# KiCad board pcb.kicad_pcb
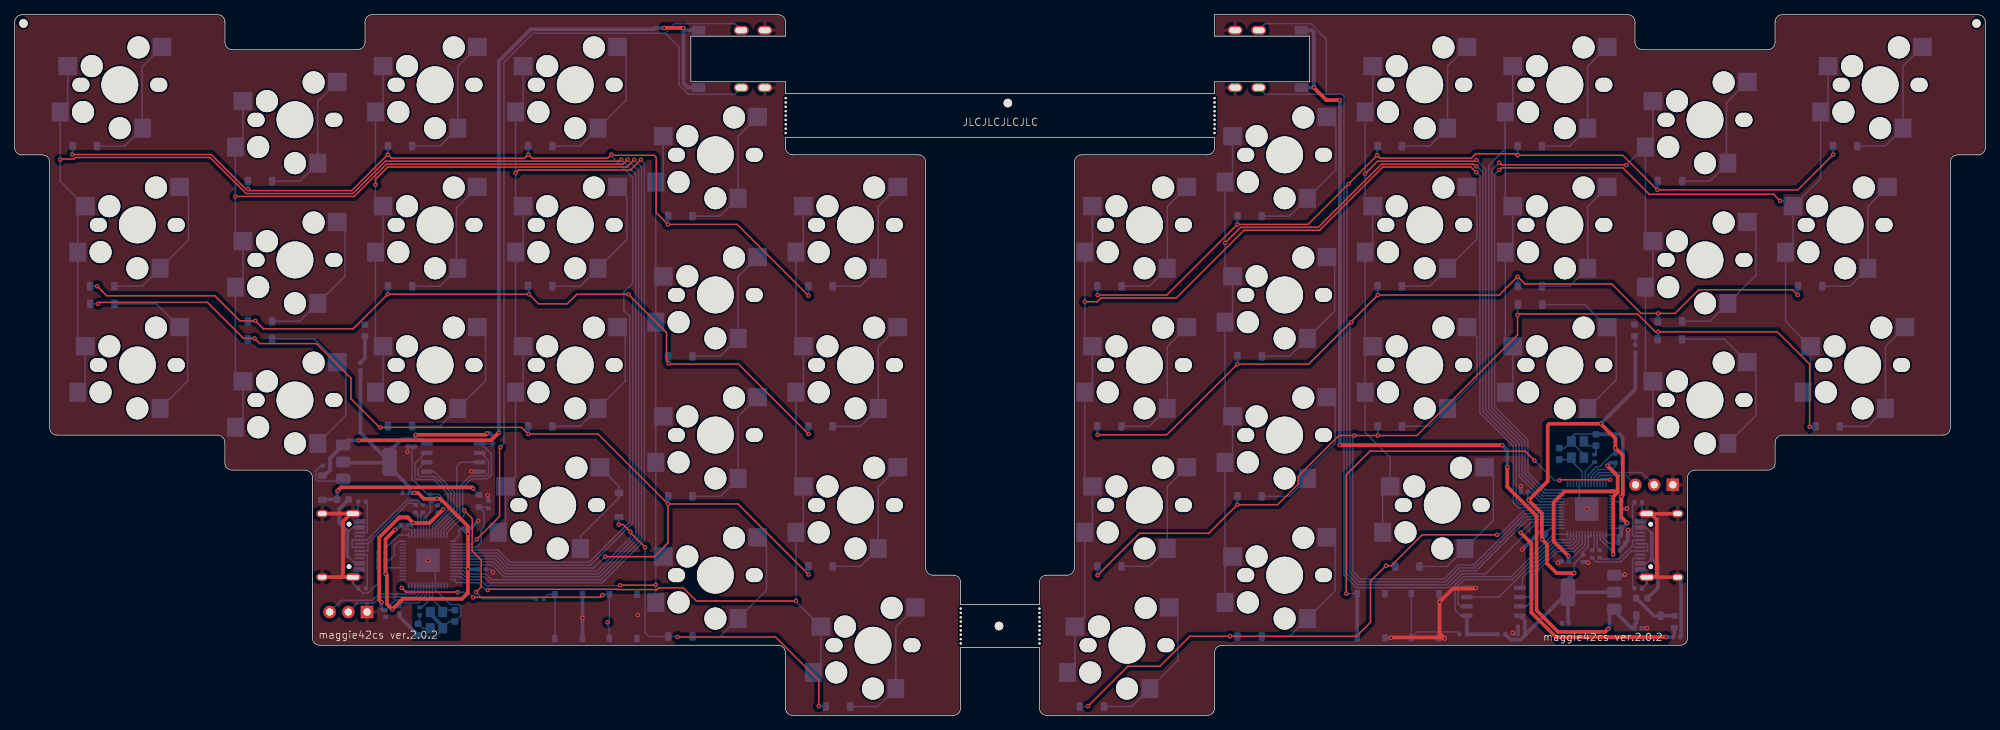
[diagram p0: board, top side]
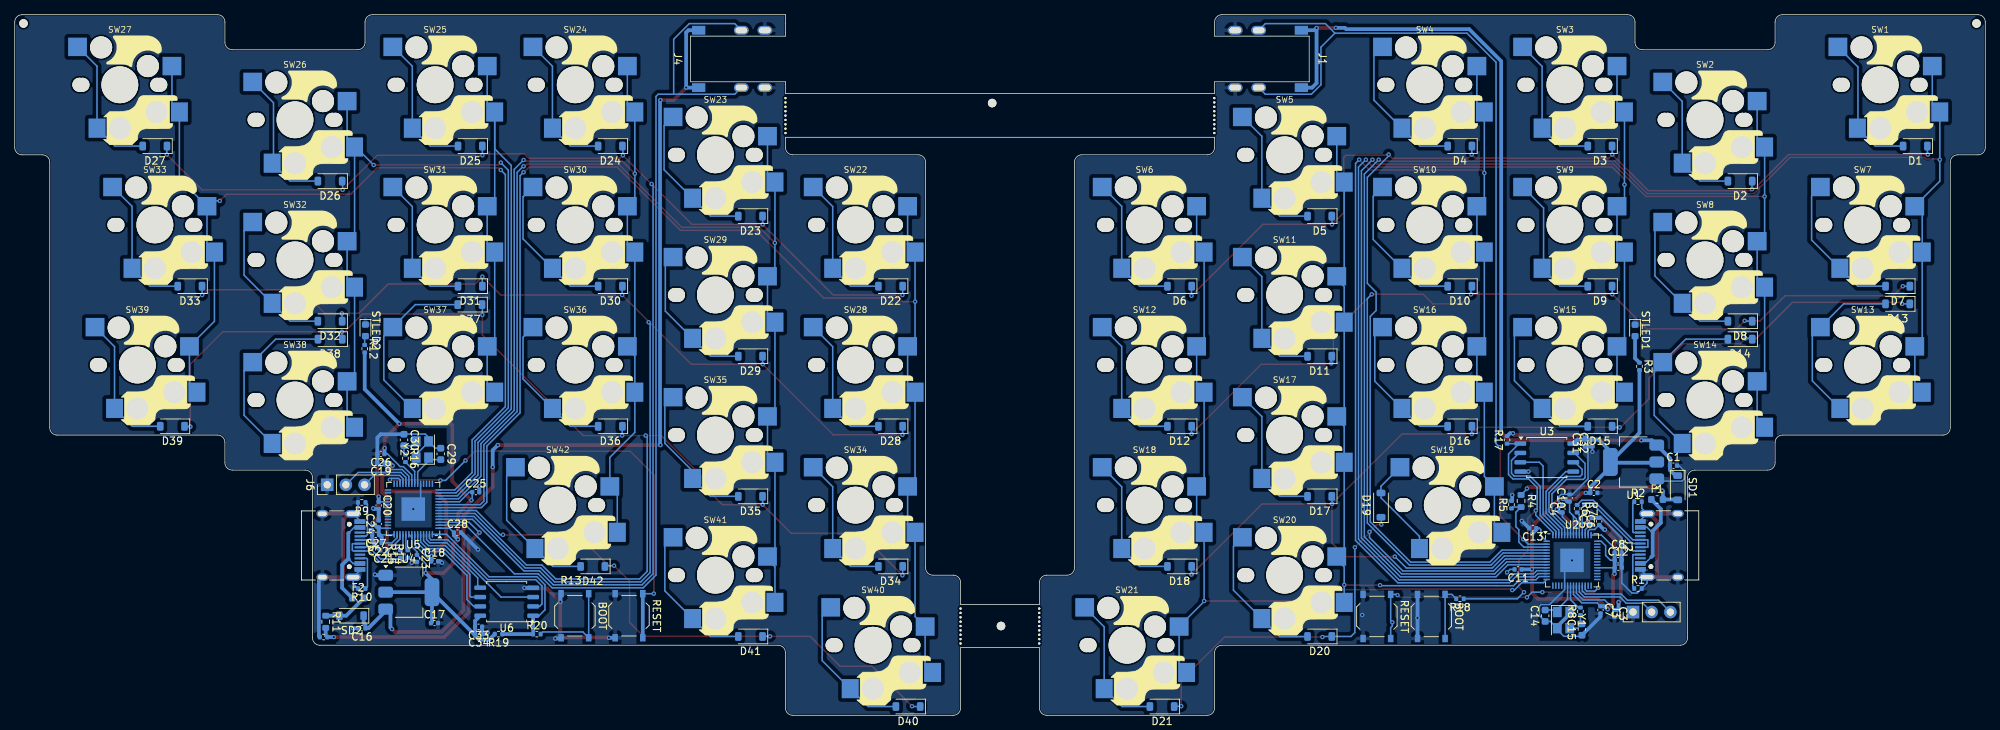
[diagram p1: board, bottom side, seen from below]

Outline 267.89 x 95.25 mm; copper layers: Top, Bottom. Coordinates in mm from the lower left corner of the outline.
Outline path: 163.12,92.34 163.12,95.25 219.27,95.25 arc(219.98,94.96) 220.27,94.25 220.27,91.49 arc(220.56,90.78) 221.27,90.49 238.32,90.49 arc(239.03,90.78) 239.32,91.49 239.32,94.25 arc(239.61,94.96) 240.32,95.25 266.89,95.25 arc(267.6,94.96) 267.89,94.25 267.89,77.2 arc(267.6,76.49) 266.89,76.2 264.13,76.2 arc(263.42,75.91) 263.13,75.2 263.13,39.1 arc(262.84,38.39) 262.13,38.1 240.32,38.1 arc(239.61,37.81) 239.32,37.1 239.32,34.34 arc(239.03,33.63) 238.32,33.34 228.41,33.34 arc(227.7,33.04) 227.41,32.34 227.41,10.52 arc(227.12,9.82) 226.41,9.52 164.12,9.52 arc(163.41,9.23) 163.12,8.52 163.12,1 arc(162.83,0.29) 162.12,0 140.31,0 arc(139.6,0.29) 139.31,1 139.31,9.21 128.59,9.21 128.59,1 arc(128.29,0.29) 127.59,0 105.78,0 arc(105.07,0.29) 104.78,1 104.78,8.52 arc(104.48,9.23) 103.78,9.52 41.48,9.52 arc(40.77,9.82) 40.48,10.52 40.48,32.34 arc(40.19,33.04) 39.48,33.34 29.57,33.34 arc(28.87,33.63) 28.57,34.34 28.57,37.1 arc(28.28,37.81) 27.57,38.1 5.76,38.1 arc(5.06,38.39) 4.76,39.1 4.76,75.2 arc(4.47,75.91) 3.76,76.2 1,76.2 arc(0.29,76.49) 0,77.2 0,94.25 arc(0.29,94.96) 1,95.25 27.57,95.25 arc(28.28,94.96) 28.57,94.25 28.57,91.49 arc(28.87,90.78) 29.57,90.49 46.62,90.49 arc(47.33,90.78) 47.62,91.49 47.62,94.25 arc(47.92,94.96) 48.62,95.25 103.78,95.25 arc(104.48,94.96) 104.78,94.25 104.78,92.34 91.91,92.34 91.91,86.14 104.78,86.14 104.78,84.53 163.12,84.53 163.12,86.14 176.01,86.14 176.01,92.34 163.11,92.34 ; 104.78,78.58 104.78,77.2 arc(105.07,76.49) 105.78,76.2 122.83,76.2 arc(123.53,75.91) 123.83,75.2 123.83,20.05 arc(124.12,19.34) 124.83,19.05 127.59,19.05 arc(128.29,18.76) 128.59,18.05 128.59,15.05 139.31,15.05 139.31,18.05 arc(139.6,18.76) 140.31,19.05 143.07,19.05 arc(143.78,19.34) 144.07,20.05 144.07,75.2 arc(144.36,75.91) 145.07,76.2 162.12,76.2 arc(162.83,76.49) 163.12,77.2 163.12,78.58 104.78,78.58
Stack: Top 0.035mm / dielectric 1.51mm FR4 er 4.5 / Bottom 0.035mm

## Placement (name value [footprint] x y rotation side)
C1  10u  [C_0402_1005Metric]  42.39 33.94 180 bottom
C2  10u  [C_0402_1005Metric]  53.21 30.24 180 bottom
C3  100n  [C_0402_1005Metric]  50.41 13.84 270 bottom
C4  100n  [C_0402_1005Metric]  57.49 28.06 90 bottom
C5  2.2uF  [C_0402_1005Metric]  53.49 26.36 90 bottom
C6  2.2uF  [C_0402_1005Metric]  52.49 26.36 90 bottom
C7  100n  [C_0402_1005Metric]  52.31 14.34 270 bottom
C8  100n  [C_0402_1005Metric]  49.91 22.08 180 bottom
C9  100n  [C_0402_1005Metric]  49.89 20.08 180 bottom
C10  100n  [C_0402_1005Metric]  56.51 29.54 90 bottom
C11  100n  [C_0402_1005Metric]  63.51 19.84 0 bottom
C12  100n  [C_0402_1005Metric]  49.91 21.08 180 bottom
C13  100n  [C_0402_1005Metric]  61.51 25.44 0 bottom
C14  30pF  [C_0603_1608Metric]  59.84 13.54 90 bottom
C15  30pF  [C_0603_1608Metric]  54.84 11.66 90 bottom
C16  10u  [C_0402_1005Metric]  220.69 11.84 0 bottom
C17  10u  [C_0402_1005Metric]  210.83 12.54 180 bottom
C18  100n  [C_0402_1005Metric]  210.81 20.94 180 bottom
C19  100n  [C_0402_1005Metric]  218.11 34.34 0 bottom
C20  100n  [C_0402_1005Metric]  218.41 28.54 270 bottom
C21  2.2uF  [C_0402_1005Metric]  217.71 22.44 0 bottom
C22  2.2uF  [C_0402_1005Metric]  218.49 23.44 0 bottom
C23  100n  [C_0402_1005Metric]  213.21 21.34 270 bottom
C24  100n  [C_0402_1005Metric]  218.41 26.02 90 bottom
C25  100n  [C_0402_1005Metric]  205.21 30.34 180 bottom
C26  100n  [C_0402_1005Metric]  218.11 35.54 0 bottom
C27  100n  [C_0402_1005Metric]  218.81 24.54 0 bottom
C28  100n  [C_0402_1005Metric]  207.71 24.84 180 bottom
C29  30pF  [C_0603_1608Metric]  209.97 35.54 270 bottom
C30  30pF  [C_0603_1608Metric]  214.97 37.44 270 bottom
C31  100n  [C_0402_1005Metric]  54.41 37.02 90 bottom
C32  2.2uF  [C_0402_1005Metric]  53.41 37.04 90 bottom
C33  100n  [C_0402_1005Metric]  204.83 12.04 0 bottom
C34  2.2uF  [C_0402_1005Metric]  204.81 11.04 0 bottom
D1  D  [D_SOD-123]  9.53 77.39 0 bottom
D2  D  [D_SOD-123]  33.34 72.63 0 bottom
D3  D  [D_SOD-123]  52.39 77.39 0 bottom
D4  D  [D_SOD-123]  71.44 77.39 0 bottom
D5  D  [D_SOD-123]  90.49 67.87 0 bottom
D6  D  [D_SOD-123]  109.54 58.34 0 bottom
D7  D  [D_SOD-123]  11.91 58.34 0 bottom
D8  D  [D_SOD-123]  33.34 53.58 0 bottom
D9  D  [D_SOD-123]  52.39 58.34 0 bottom
D10  D  [D_SOD-123]  71.44 58.34 0 bottom
D11  D  [D_SOD-123]  90.49 48.82 0 bottom
D12  D  [D_SOD-123]  109.54 39.29 0 bottom
D13  D  [D_SOD-123]  11.91 55.94 0 bottom
D14  D  [D_SOD-123]  33.34 51.14 0 bottom
D15  D  [D_SOD-123]  52.39 39.29 0 bottom
D16  D  [D_SOD-123]  71.44 39.29 0 bottom
D17  D  [D_SOD-123]  90.49 29.77 0 bottom
D18  D  [D_SOD-123]  109.54 20.24 0 bottom
D19  D  [D_SOD-123]  82.15 28.57 90 bottom
D20  D  [D_SOD-123]  90.49 10.72 0 bottom
D21  D  [D_SOD-123]  111.92 1.19 0 bottom
D22  D  [D_SOD-123]  148.83 58.34 0 bottom
D23  D  [D_SOD-123]  167.88 67.87 0 bottom
D24  D  [D_SOD-123]  186.93 77.39 0 bottom
D25  D  [D_SOD-123]  205.98 77.39 0 bottom
D26  D  [D_SOD-123]  225.03 72.63 0 bottom
D27  D  [D_SOD-123]  248.84 77.39 0 bottom
D28  D  [D_SOD-123]  148.83 39.29 0 bottom
D29  D  [D_SOD-123]  167.88 48.82 0 bottom
D30  D  [D_SOD-123]  186.93 58.34 0 bottom
D31  D  [D_SOD-123]  205.98 58.34 0 bottom
D32  D  [D_SOD-123]  225.03 53.58 0 bottom
D33  D  [D_SOD-123]  244.08 58.34 0 bottom
D34  D  [D_SOD-123]  148.83 20.24 0 bottom
D35  D  [D_SOD-123]  167.88 29.77 0 bottom
D36  D  [D_SOD-123]  186.93 39.29 0 bottom
D37  D  [D_SOD-123]  206.01 55.84 0 bottom
D38  D  [D_SOD-123]  225.01 51.14 0 bottom
D39  D  [D_SOD-123]  246.46 39.29 0 bottom
D40  D  [D_SOD-123]  146.45 1.19 0 bottom
D41  D  [D_SOD-123]  167.88 10.72 0 bottom
D42  D  [D_SOD-123]  189.31 20.24 0 bottom
F1  ~  [Fuse_0603_1608Metric]  44.61 29.34 180 bottom
F2  ~  [Fuse_0603_1608Metric]  221.21 15.94 180 bottom
J1  AudioJack3  [PJ-399B-6A_margin]  104.78 89.24 90 bottom
J2  USB_C_Receptacle_USB2.0_16P  [USB_C_Receptacle_HRO_TYPE-C-31-M-12]  42.85 23.1 90 bottom
J3  Conn_01x03_Pin  [PinHeader_1x03_P2.54mm_Vertical]  47.89 14.04 90 bottom
J4  AudioJack3  [PJ-399B-6A_margin]  163.11 89.24 270 bottom
J5  USB_C_Receptacle_USB2.0_16P  [USB_C_Receptacle_HRO_TYPE-C-31-M-12]  225.01 23.09 270 bottom
J6  Conn_01x03_Pin  [PinHeader_1x03_P2.54mm_Vertical]  225.41 31.34 90 bottom
R1  5.1k  [R_0402_1005Metric]  47.21 17.24 180 bottom
R2  5.1k  [R_0402_1005Metric]  47.21 29.04 180 bottom
R3  1k  [R_0402_1005Metric]  47.01 47.44 270 bottom
R4  5.6k  [R_0603_1608Metric]  63.11 29.14 270 bottom
R5  10k  [R_0402_1005Metric]  64.41 28.64 90 bottom
R6  27  [R_0402_1005Metric]  55.49 28.09 270 bottom
R7  27  [R_0402_1005Metric]  54.49 28.09 270 bottom
R8  1k  [R_0402_1005Metric]  55.04 14.14 90 bottom
R9  5.1k  [R_0402_1005Metric]  220.71 28.94 0 bottom
R10  5.1k  [R_0402_1005Metric]  220.71 17.24 0 bottom
R11  5.6k  [R_0603_1608Metric]  225.61 12.71 270 bottom
R12  1k  [R_0402_1005Metric]  220.31 49.84 270 bottom
R13  10k  [R_0402_1005Metric]  225.9 10.64 0 bottom
R14  27  [R_0402_1005Metric]  214.44 21.93 90 bottom
R15  27  [R_0402_1005Metric]  215.47 21.94 90 bottom
R16  1k  [R_0402_1005Metric]  214.78 34.94 270 bottom
R17  10k  [R_0402_1005Metric]  65.01 37.44 90 bottom
R18  1k  [R_0402_1005Metric]  71.41 15.84 0 bottom
R19  10k  [R_0402_1005Metric]  202.12 11.04 0 bottom
R20  1k  [R_0402_1005Metric]  196.91 11.04 180 bottom
REF**  -  [JLCPCB Tooling Hole]  133.81 12.14 0 top
REF**#2  -  [Breakaway_Tabs]  104.81 81.54 90 top
REF**#3  -  [JLCPCB Tooling Hole]  1.19 94.06 0 top
REF**#4  -  [Breakaway_Tabs]  139.31 12.14 90 top
REF**#5  -  [JLCPCB Tooling Hole]  266.7 94.06 0 top
REF**#6  -  [Breakaway_Tabs]  163.11 81.54 90 top
REF**#7  -  [JLCPCB Tooling Hole]  135.01 83.24 0 top
REF**#8  -  [Breakaway_Tabs]  128.61 12.14 90 top
SD1  ~  [D_SOD-123]  41.81 30.94 270 bottom
SD2  ~  [D_SOD-123]  222.11 13.54 0 bottom
SMDSW1  RESET  [SW_Push_1P1T_XKB_TS-1187A]  82.71 13.44 90 bottom
SMDSW2  BOOT  [SW_Push_1P1T_XKB_TS-1187A]  75.31 13.44 90 bottom
SMDSW3  RESET  [SW_Push_1P1T_XKB_TS-1187A]  184.39 13.54 90 bottom
SMDSW4  BOOT  [SW_Push_1P1T_XKB_TS-1187A]  191.74 13.54 90 bottom
STLED1  WHITE  [LED_0603_1608Metric]  47.61 52.32 270 bottom
STLED2  WHITE  [LED_0603_1608Metric]  220.21 52.34 270 bottom
SW1  SW_PUSH  [keyswitch_cherrymx_choc12_hotswap_1.5u]  14.29 85.72 180 bottom
SW2  SW_PUSH  [keyswitch_cherrymx_choc12_hotswap_1u]  38.1 80.96 180 bottom
SW3  SW_PUSH  [keyswitch_cherrymx_choc12_hotswap_1u]  57.15 85.72 180 bottom
SW4  SW_PUSH  [keyswitch_cherrymx_choc12_hotswap_1u]  76.2 85.72 180 bottom
SW5  SW_PUSH  [keyswitch_cherrymx_choc12_hotswap_1u]  95.25 76.2 180 bottom
SW6  SW_PUSH  [keyswitch_cherrymx_choc12_hotswap_1u]  114.3 66.67 180 bottom
SW7  SW_PUSH  [keyswitch_cherrymx_choc12_hotswap_1.25u]  16.67 66.67 180 bottom
SW8  SW_PUSH  [keyswitch_cherrymx_choc12_hotswap_1u]  38.1 61.91 180 bottom
SW9  SW_PUSH  [keyswitch_cherrymx_choc12_hotswap_1u]  57.15 66.67 180 bottom
SW10  SW_PUSH  [keyswitch_cherrymx_choc12_hotswap_1u]  76.2 66.67 180 bottom
SW11  SW_PUSH  [keyswitch_cherrymx_choc12_hotswap_1u]  95.25 57.15 180 bottom
SW12  SW_PUSH  [keyswitch_cherrymx_choc12_hotswap_1u]  114.3 47.62 180 bottom
SW13  SW_PUSH  [keyswitch_cherrymx_choc12_hotswap_1.25u]  16.67 47.62 180 bottom
SW14  SW_PUSH  [keyswitch_cherrymx_choc12_hotswap_1u]  38.1 42.86 180 bottom
SW15  SW_PUSH  [keyswitch_cherrymx_choc12_hotswap_1u]  57.15 47.62 180 bottom
SW16  SW_PUSH  [keyswitch_cherrymx_choc12_hotswap_1u]  76.2 47.62 180 bottom
SW17  SW_PUSH  [keyswitch_cherrymx_choc12_hotswap_1u]  95.25 38.1 180 bottom
SW18  SW_PUSH  [keyswitch_cherrymx_choc12_hotswap_1u]  114.3 28.57 180 bottom
SW19  SW_PUSH  [keyswitch_cherrymx_choc12_hotswap_1.25u]  73.82 28.57 180 bottom
SW20  SW_PUSH  [keyswitch_cherrymx_choc12_hotswap_1u]  95.25 19.05 180 bottom
SW21  SW_PUSH  [keyswitch_cherrymx_choc12_hotswap_1.25u]  116.68 9.52 180 bottom
SW22  SW_PUSH  [keyswitch_cherrymx_choc12_hotswap_1u]  153.59 66.67 180 bottom
SW23  SW_PUSH  [keyswitch_cherrymx_choc12_hotswap_1u]  172.64 76.2 180 bottom
SW24  SW_PUSH  [keyswitch_cherrymx_choc12_hotswap_1u]  191.69 85.72 180 bottom
SW25  SW_PUSH  [keyswitch_cherrymx_choc12_hotswap_1u]  210.74 85.72 180 bottom
SW26  SW_PUSH  [keyswitch_cherrymx_choc12_hotswap_1u]  229.79 80.96 180 bottom
SW27  SW_PUSH  [keyswitch_cherrymx_choc12_hotswap_1.5u]  253.6 85.72 180 bottom
SW28  SW_PUSH  [keyswitch_cherrymx_choc12_hotswap_1u]  153.59 47.62 180 bottom
SW29  SW_PUSH  [keyswitch_cherrymx_choc12_hotswap_1u]  172.64 57.15 180 bottom
SW30  SW_PUSH  [keyswitch_cherrymx_choc12_hotswap_1u]  191.69 66.67 180 bottom
SW31  SW_PUSH  [keyswitch_cherrymx_choc12_hotswap_1u]  210.74 66.67 180 bottom
SW32  SW_PUSH  [keyswitch_cherrymx_choc12_hotswap_1u]  229.79 61.91 180 bottom
SW33  SW_PUSH  [keyswitch_cherrymx_choc12_hotswap_1u]  248.84 66.67 180 bottom
SW34  SW_PUSH  [keyswitch_cherrymx_choc12_hotswap_1u]  153.59 28.57 180 bottom
SW35  SW_PUSH  [keyswitch_cherrymx_choc12_hotswap_1u]  172.64 38.1 180 bottom
SW36  SW_PUSH  [keyswitch_cherrymx_choc12_hotswap_1u]  191.69 47.62 180 bottom
SW37  SW_PUSH  [keyswitch_cherrymx_choc12_hotswap_1u]  210.74 47.62 180 bottom
SW38  SW_PUSH  [keyswitch_cherrymx_choc12_hotswap_1u]  229.79 42.86 180 bottom
SW39  SW_PUSH  [keyswitch_cherrymx_choc12_hotswap_1.25u]  251.22 47.62 180 bottom
SW40  SW_PUSH  [keyswitch_cherrymx_choc12_hotswap_1.25u]  151.21 9.52 180 bottom
SW41  SW_PUSH  [keyswitch_cherrymx_choc12_hotswap_1u]  172.64 19.05 180 bottom
SW42  SW_PUSH  [keyswitch_cherrymx_choc12_hotswap_1.25u]  194.07 28.57 180 bottom
U1  NCP1117-3.3_SOT223  [SOT-223-3_TabPin2]  47.81 34.44 0 bottom
U2  RP2040  [QFN-56-1EP_7x7mm_P0.4mm_EP3.2x3.2mm]  56.19 21.06 180 bottom
U3  W25Q128JVS  [SOIC-8_5.23x5.23mm_P1.27mm]  59.61 35.04 180 bottom
U4  NCP1117-3.3_SOT223  [SOT-223-3_TabPin2]  214.31 16.74 180 bottom
U5  RP2040  [QFN-56-1EP_7x7mm_P0.4mm_EP3.2x3.2mm]  213.71 28.04 0 bottom
U6  W25Q128JVS  [SOIC-8_5.23x5.23mm_P1.27mm]  201.01 15.44 0 bottom
Y1  12MHz  [Crystal_SMD_3225-4Pin_3.2x2.5mm]  57.34 12.94 270 bottom
Y2  12MHz  [Crystal_SMD_3225-4Pin_3.2x2.5mm]  212.47 36.14 90 bottom

## Library data of the parts
C1 C2 C16 C17 = -: Description: Unpolarized capacitor, small symbol; LCSC: C15525; ki_fp_filters: C_*
C3 C4 C7-C13 C18-C20 C23-C28 C31 C33 = -: Description: Unpolarized capacitor, small symbol; LCSC: C1525; ki_fp_filters: C_*
C5 C6 C21 C22 C32 C34 = -: Description: Unpolarized capacitor, small symbol; LCSC: C12530; ki_fp_filters: C_*
C14 C15 C29 C30 = -: Description: Unpolarized capacitor, small symbol; LCSC: C1658; ki_fp_filters: C_*
D1-D42 = -: Description: Diode, small symbol; Sim.Pins: 1=K 2=A; LCSC: C81598; ki_fp_filters: TO-???* *_Diode_* *SingleDiode* D_*
F1 F2 = -: Description: Resettable fuse, polymeric positive temperature coefficient, small symbol; LCSC: C2757930; ki_fp_filters: *polyfuse* *PTC*
J1 J4 = -: Description: Audio Jack, 3 Poles (Stereo / TRS); LCSC: C128994; ki_fp_filters: Jack*
J2 J5 = -: Datasheet: https://www.usb.org/sites/default/files/documents/usb_type-c.zip; Description: USB 2.0-only 16P Type-C Receptacle connector; LCSC: C165948; ki_fp_filters: USB*C*Receptacle*
J3 J6 = -: Description: Generic connector, single row, 01x03, script generated; ki_fp_filters: Connector*:*_1x??_*
R1 R2 R9 R10 = -: Description: Resistor, small symbol; LCSC: C25905; ki_fp_filters: R_*
R3 R8 R12 R16 R18 R20 = -: Description: Resistor, small symbol; LCSC: C11702; ki_fp_filters: R_*
R4 R11 = -: Description: Resistor, small symbol; LCSC: C23189; ki_fp_filters: R_*
R5 R13 R17 R19 = -: Description: Resistor, small symbol; LCSC: C25744; ki_fp_filters: R_*
R6 R7 R14 R15 = -: Description: Resistor, small symbol; LCSC: C25100; ki_fp_filters: R_*
SD1 SD2 = -: Description: Schottky diode, small symbol; LCSC: C8598; ki_fp_filters: TO-???* *_Diode_* *SingleDiode* D_*
SMDSW1-SMDSW4 = -: Description: Push button switch, generic, two pins; LCSC: C318884
STLED1 STLED2 = -: Description: Light emitting diode, small symbol; LCSC: C2290; ki_fp_filters: LED* LED_SMD:* LED_THT:*
SW1-SW42 = -: Description: Push button switch, generic, two pins
U1 U4 = -: Datasheet: http://www.onsemi.com/pub_link/Collateral/NCP1117-D.PDF; Description: 1A Low drop-out regulator, Fixed Output 3.3V, SOT-223; LCSC: C347222; ki_fp_filters: SOT?223*TabPin2*
U2 U5 = -: Datasheet: https://datasheets.raspberrypi.com/rp2040/rp2040-datasheet.pdf; Description: A microcontroller by Raspberry Pi; LCSC: C2040; ki_fp_filters: QFN*1EP*7x7mm?P0.4mm*
U3 U6 = -: Datasheet: https://www.winbond.com/resource-files/w25q128jv_dtr%20revc%2003272018%20plus.pdf; Description: 128Mb Serial Flash Memory, Standard/Dual/Quad SPI, SOIC-8; LCSC: C97521; ki_fp_filters: SOIC*5.23x5.23mm*P1.27mm*
Y1 Y2 = -: Description: Four pin crystal, GND on pins 2 and 4, small symbol; LCSC: C9002; ki_fp_filters: Crystal*

## Footprints (pads in the part's own frame, mm; a bottom-side part is the same pattern mirrored in y, then rotated)
Breakaway_Tabs
  round 0.3 hole 0.3 unplated: (-2.375,0) (-1.781,0) (-1.188,0) (-0.594,0) (0,0) (0.594,0) (1.188,0) (1.781,0) (2.375,0)
C_0402_1005Metric
  rrect 0.56x0.62 smd: 1(-0.48,0) 2(0.48,0)
C_0603_1608Metric
  rrect 0.9x0.95 smd: 1(-0.775,0) 2(0.775,0)
Crystal_SMD_3225-4Pin_3.2x2.5mm
  rect 1.4x1.2 smd: 1(-1.1,-0.85) 2(1.1,-0.85) 3(1.1,0.85) 4(-1.1,0.85)
D_SOD-123
  rrect 0.9x1.2 smd: 1(-1.65,0) 2(1.65,0)
Fuse_0603_1608Metric
  rrect 0.875x0.95 smd: 1(-0.787,0) 2(0.787,0)
JLCPCB Tooling Hole
  round 1.3 hole 1.152 unplated: (0,0)
keyswitch_cherrymx_choc12_hotswap_1.5u
  round 1.9 hole 1.9 unplated: (-5.5,0) (-5.08,0) (5.08,0) (5.5,0)
  round 3 hole 3 unplated: (-2.54,5.08) (0,-5.9) (3.81,2.54) (5,-3.7)
  round 5 hole 5 unplated: (0,0)
  rect 2.55x2.5 smd: 1(7.085,2.54) 2(-5.75,5.15)
  rect 2.3x2.6 smd: 1(8.1,-3.7) 2(-3.1,-5.9)
keyswitch_cherrymx_choc12_hotswap_1.25u
  round 1.9 hole 1.9 unplated: (-5.5,0) (-5.08,0) (5.08,0) (5.5,0)
  round 3 hole 3 unplated: (-2.54,5.08) (0,-5.9) (3.81,2.54) (5,-3.7)
  round 5 hole 5 unplated: (0,0)
  rect 2.55x2.5 smd: 1(7.085,2.54) 2(-5.75,5.15)
  rect 2.3x2.6 smd: 1(8.1,-3.7) 2(-3.1,-5.9)
keyswitch_cherrymx_choc12_hotswap_1u
  round 1.9 hole 1.9 unplated: (-5.5,0) (-5.08,0) (5.08,0) (5.5,0)
  round 3 hole 3 unplated: (-2.54,5.08) (0,-5.9) (3.81,2.54) (5,-3.7)
  round 5 hole 5 unplated: (0,0)
  rect 2.55x2.5 smd: 1(7.085,2.54) 2(-5.75,5.15)
  rect 2.3x2.6 smd: 1(8.1,-3.7) 2(-3.1,-5.9)
LED_0603_1608Metric
  rrect 0.875x0.95 smd: 1(-0.787,0) 2(0.787,0)
PinHeader_1x03_P2.54mm_Vertical
  rect 1.7x1.7 hole 1: 1(0,0)
  oval 1.7x1.7 hole 1: 2(0,-2.54) 3(0,-5.08)
PJ-399B-6A_margin
  oval 1.2x2 hole 0.8x1.6: R(-3.9,-6) R(3.9,-6) S(-3.9,-2.8) S(3.9,-2.8)
  rect 1.2x1.8 smd: T(-3.9,-11.8) T(3.9,-11.8)
QFN-56-1EP_7x7mm_P0.4mm_EP3.2x3.2mm
  rrect 1.29x1.29 smd: (-0.8,-0.8) (-0.8,0.8) (0.8,-0.8) (0.8,0.8)
  rrect 0.875x0.2 smd: 1(-3.438,2.6) 2(-3.438,2.2) 3(-3.438,1.8) 4(-3.438,1.4) 5(-3.438,1) 6(-3.438,0.6) 7(-3.438,0.2) 8(-3.438,-0.2) 9(-3.438,-0.6) 10(-3.438,-1) 11(-3.438,-1.4) 12(-3.438,-1.8) 13(-3.438,-2.2) 14(-3.438,-2.6) 29(3.438,-2.6) 30(3.438,-2.2) 31(3.438,-1.8) 32(3.438,-1.4) 33(3.438,-1) 34(3.438,-0.6) 35(3.438,-0.2) 36(3.438,0.2) 37(3.438,0.6) 38(3.438,1) 39(3.438,1.4) 40(3.438,1.8) 41(3.438,2.2) 42(3.438,2.6)
  rrect 0.2x0.875 smd: 15(-2.6,-3.438) 16(-2.2,-3.438) 17(-1.8,-3.438) 18(-1.4,-3.438) 19(-1,-3.438) 20(-0.6,-3.438) 21(-0.2,-3.438) 22(0.2,-3.438) 23(0.6,-3.438) 24(1,-3.438) 25(1.4,-3.438) 26(1.8,-3.438) 27(2.2,-3.438) 28(2.6,-3.438) 43(2.6,3.438) 44(2.2,3.438) 45(1.8,3.438) 46(1.4,3.438) 47(1,3.438) 48(0.6,3.438) 49(0.2,3.438) 50(-0.2,3.438) 51(-0.6,3.438) 52(-1,3.438) 53(-1.4,3.438) 54(-1.8,3.438) 55(-2.2,3.438) 56(-2.6,3.438)
  rect 3.2x3.2 smd: 57(0,0)
R_0402_1005Metric
  rrect 0.54x0.64 smd: 1(-0.51,0) 2(0.51,0)
R_0603_1608Metric
  rrect 0.8x0.95 smd: 1(-0.825,0) 2(0.825,0)
SOIC-8_5.23x5.23mm_P1.27mm
  rrect 1.6x0.6 smd: 1(-3.6,1.905) 2(-3.6,0.635) 3(-3.6,-0.635) 4(-3.6,-1.905) 5(3.6,-1.905) 6(3.6,-0.635) 7(3.6,0.635) 8(3.6,1.905)
SOT-223-3_TabPin2
  rrect 2x1.5 smd: 1(-3.15,2.3) 2(-3.15,0) 3(-3.15,-2.3)
  rrect 2x3.8 smd: 2(3.15,0)
SW_Push_1P1T_XKB_TS-1187A
  rect 1x0.75 smd: 1(-3,1.875) 1(3,1.875) 2(-3,-1.875) 2(3,-1.875)
USB_C_Receptacle_HRO_TYPE-C-31-M-12
  round 0.65 hole 0.65 unplated: (-2.89,2.6) (2.89,2.6)
  rect 0.6x1.45 smd: A1(-3.25,4.045) A4(-2.45,4.045) A9(2.45,4.045) A12(3.25,4.045) B1(3.25,4.045) B4(2.45,4.045) B9(-2.45,4.045) B12(-3.25,4.045)
  rect 0.3x1.45 smd: A5(-1.25,4.045) A6(-0.25,4.045) A7(0.25,4.045) A8(1.25,4.045) B5(1.75,4.045) B6(0.75,4.045) B7(-0.75,4.045) B8(-1.75,4.045)
  oval 1x1.6 hole 0.6x1.2: S1(-4.32,-1.05) S1(4.32,-1.05)
  oval 1x2.1 hole 0.6x1.7: S1(-4.32,3.13) S1(4.32,3.13)

## Nets
+1V1: C3.1 C4.1 C5.1 U2.23 U2.45 U2.50
+3V3: C2.1 C6.1 C7.1 C8.1 C9.1 C10.1 C11.1 C12.1 C13.1 C31.2 C32.2 R3.2 R17.2 U1.2 U2.1 U2.10 U2.22 U2.33 U2.42 U2.43 U2.44 U2.48 U2.49 U3.8
+5V: C1.1 J1.T SD1.1 U1.3
GND: C1.2 C2.2 C3.2 C4.2 C5.2 C6.2 C7.2 C8.2 C9.2 C10.2 C11.2 C12.2 C13.2 C14.1 C15.1 C31.1 C32.1 J1.S J2.A1 J2.A12 J2.B1 J2.B12 J2.S1 J3.1 R1.2 R2.2 R5.2 SMDSW1.1 SMDSW2.1 STLED1.1 U1.1 U2.19 U2.57 U3.4 Y1.2 Y1.4
VBUS: F1.1 J2.A4 J2.A9 J2.B4 J2.B9
VBUSR: F2.1 J5.A4 J5.A9 J5.B4 J5.B9
COL0: SW1.1 SW7.1 SW13.1 U2.8
COL1: SW2.1 SW8.1 SW14.1 U2.9
COL2: SW3.1 SW9.1 SW15.1 U2.11
COL3: SW4.1 SW10.1 SW16.1 SW19.1 U2.12
COL4: SW5.1 SW11.1 SW17.1 SW20.1 U2.13
COL5: SW6.1 SW12.1 SW18.1 SW21.1 U2.14
CONN: J1.R U2.2
D+: J2.A6 J2.B6 R6.1
D-: J2.A7 J2.B7 R7.1
QSPI_SCLK: U2.52 U3.6
QSPI_SD0: U2.53 U3.5
QSPI_SD1: U2.55 U3.2
QSPI_SD2: U2.54 U3.3
QSPI_SD3: U2.51 U3.7
QSPI_SS: R17.1 R18.1 U2.56 U3.1
r+1V1: C18.1 C19.1 C21.1 U5.23 U5.45 U5.50
r+3V3: C17.1 C20.1 C22.1 C23.1 C24.1 C25.1 C26.1 C27.1 C28.1 C33.2 C34.2 R12.2 R19.2 U4.2 U5.1 U5.10 U5.22 U5.33 U5.42 U5.43 U5.44 U5.48 U5.49 U6.8
r+5V: C16.1 J4.T SD2.1 U4.3
rCOL0: SW22.1 SW28.1 SW34.1 SW40.1 U5.8
rCOL1: SW23.1 SW29.1 SW35.1 SW41.1 U5.9
rCOL2: SW24.1 SW30.1 SW36.1 SW42.1 U5.11
rCOL3: SW25.1 SW31.1 SW37.1 U5.12
rCOL4: SW26.1 SW32.1 SW38.1 U5.13
rCOL5: SW27.1 SW33.1 SW39.1 U5.14
rCONN: J4.R U5.2
rD+: J5.A6 J5.B6 R14.1
rD-: J5.A7 J5.B7 R15.1
rGND: C16.2 C17.2 C18.2 C19.2 C20.2 C21.2 C22.2 C23.2 C24.2 C25.2 C26.2 C27.2 C28.2 C29.1 C30.1 C33.1 C34.1 J4.S J5.A1 J5.A12 J5.B1 J5.B12 J5.S1 J6.1 R9.2 R10.2 R13.2 SMDSW3.1 SMDSW4.1 STLED2.1 U4.1 U5.19 U5.57 U6.4 Y2.2 Y2.4
ROW0: D1.1 D2.1 D3.1 D4.1 D5.1 D6.1 U2.4
ROW1: D7.1 D8.1 D9.1 D10.1 D11.1 D12.1 U2.5
ROW2: D13.1 D14.1 D15.1 D16.1 D17.1 D18.1 U2.6
ROW3: D19.1 D20.1 D21.1 U2.7
rQSPI_SCLK: U5.52 U6.6
rQSPI_SD0: U5.53 U6.5
rQSPI_SD1: U5.55 U6.2
rQSPI_SD2: U5.54 U6.3
rQSPI_SD3: U5.51 U6.7
rQSPI_SS: R19.1 R20.1 U5.56 U6.1
rROW0: D22.1 D23.1 D24.1 D25.1 D26.1 D27.1 U5.4
rROW1: D28.1 D29.1 D30.1 D31.1 D32.1 D33.1 U5.5
rROW2: D34.1 D35.1 D36.1 D37.1 D38.1 D39.1 U5.6
rROW3: D40.1 D41.1 D42.1 U5.7
rUSB: R11.2 R13.1 U5.3
USB: R4.2 R5.1 U2.3
Net-(C15-Pad2): C15.2 R8.1 Y1.3
Net-(C30-Pad2): C30.2 R16.1 Y2.3
Net-(D1-A): D1.2 SW1.2
Net-(D2-A): D2.2 SW2.2
Net-(D3-A): D3.2 SW3.2
Net-(D4-A): D4.2 SW4.2
Net-(D5-A): D5.2 SW5.2
Net-(D6-A): D6.2 SW6.2
Net-(D7-A): D7.2 SW7.2
Net-(D8-A): D8.2 SW8.2
Net-(D9-A): D9.2 SW9.2
Net-(D10-A): D10.2 SW10.2
Net-(D11-A): D11.2 SW11.2
Net-(D12-A): D12.2 SW12.2
Net-(D13-A): D13.2 SW13.2
Net-(D14-A): D14.2 SW14.2
Net-(D15-A): D15.2 SW15.2
Net-(D16-A): D16.2 SW16.2
Net-(D17-A): D17.2 SW17.2
Net-(D18-A): D18.2 SW18.2
Net-(D19-A): D19.2 SW19.2
Net-(D20-A): D20.2 SW20.2
Net-(D21-A): D21.2 SW21.2
Net-(D22-A): D22.2 SW22.2
Net-(D23-A): D23.2 SW23.2
Net-(D24-A): D24.2 SW24.2
Net-(D25-A): D25.2 SW25.2
Net-(D26-A): D26.2 SW26.2
Net-(D27-A): D27.2 SW27.2
Net-(D28-A): D28.2 SW28.2
Net-(D29-A): D29.2 SW29.2
Net-(D30-A): D30.2 SW30.2
Net-(D31-A): D31.2 SW31.2
Net-(D32-A): D32.2 SW32.2
Net-(D33-A): D33.2 SW33.2
Net-(D34-A): D34.2 SW34.2
Net-(D35-A): D35.2 SW35.2
Net-(D36-A): D36.2 SW36.2
Net-(D37-A): D37.2 SW37.2
Net-(D38-A): D38.2 SW38.2
Net-(D39-A): D39.2 SW39.2
Net-(D40-A): D40.2 SW40.2
Net-(D41-A): D41.2 SW41.2
Net-(D42-A): D42.2 SW42.2